# Altium PCB Z80 Card for Diagnotics.PcbDoc
Units mm, origin at the board's own origin, x right, y up, seen from the top; angles counter-clockwise.
Board outline 58 x 99 mm, 2 copper layers (Top Layer, Bottom Layer), stack 1.569 mm thick; 31 components, 93 nets, 261 pads, 323 vias.
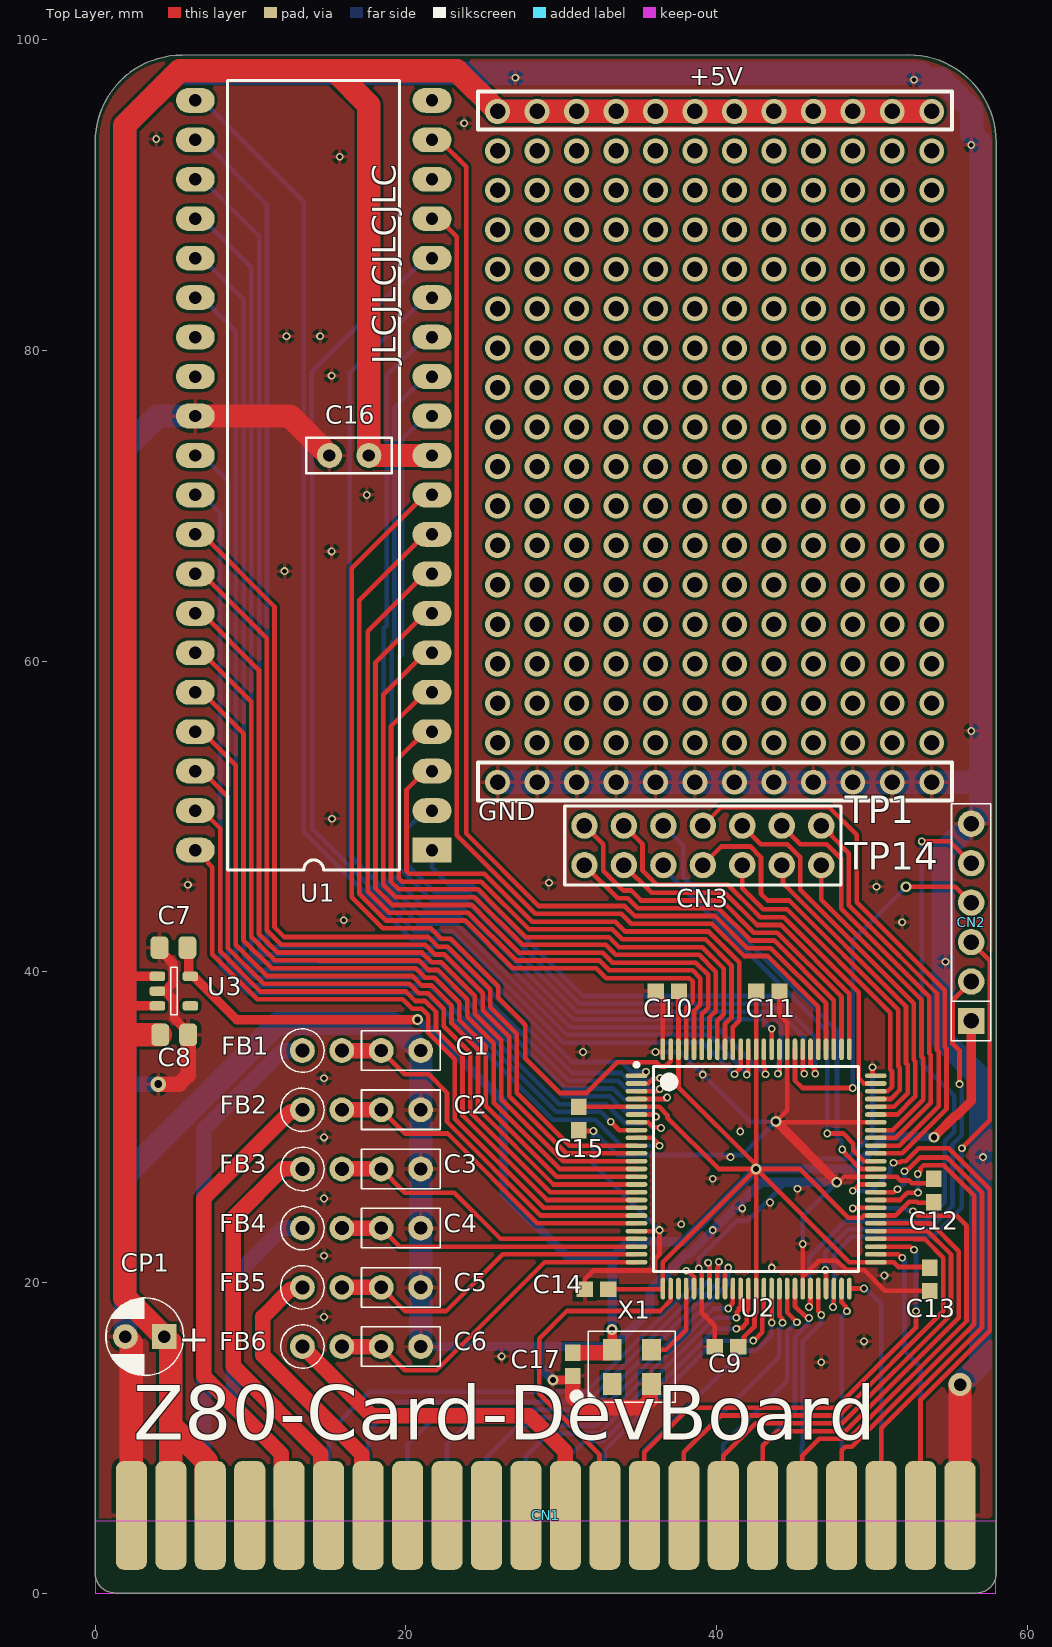
[diagram p0: Top Layer view]
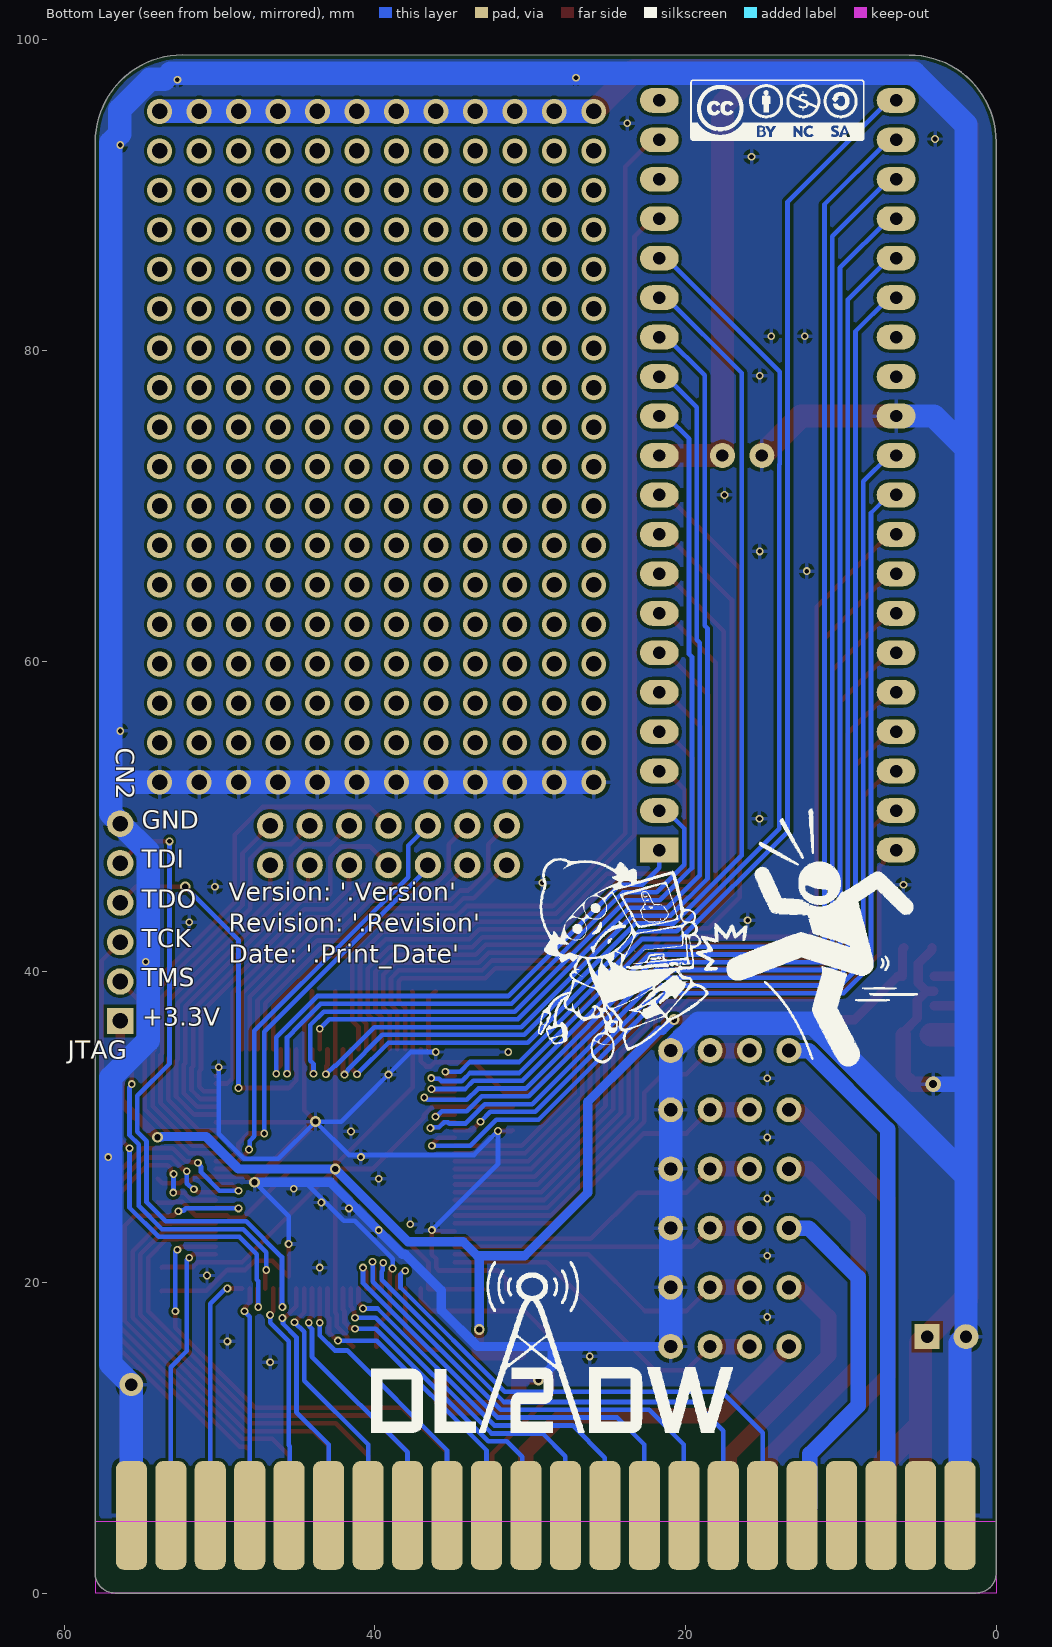
[diagram p1: Bottom Layer view, seen from below]
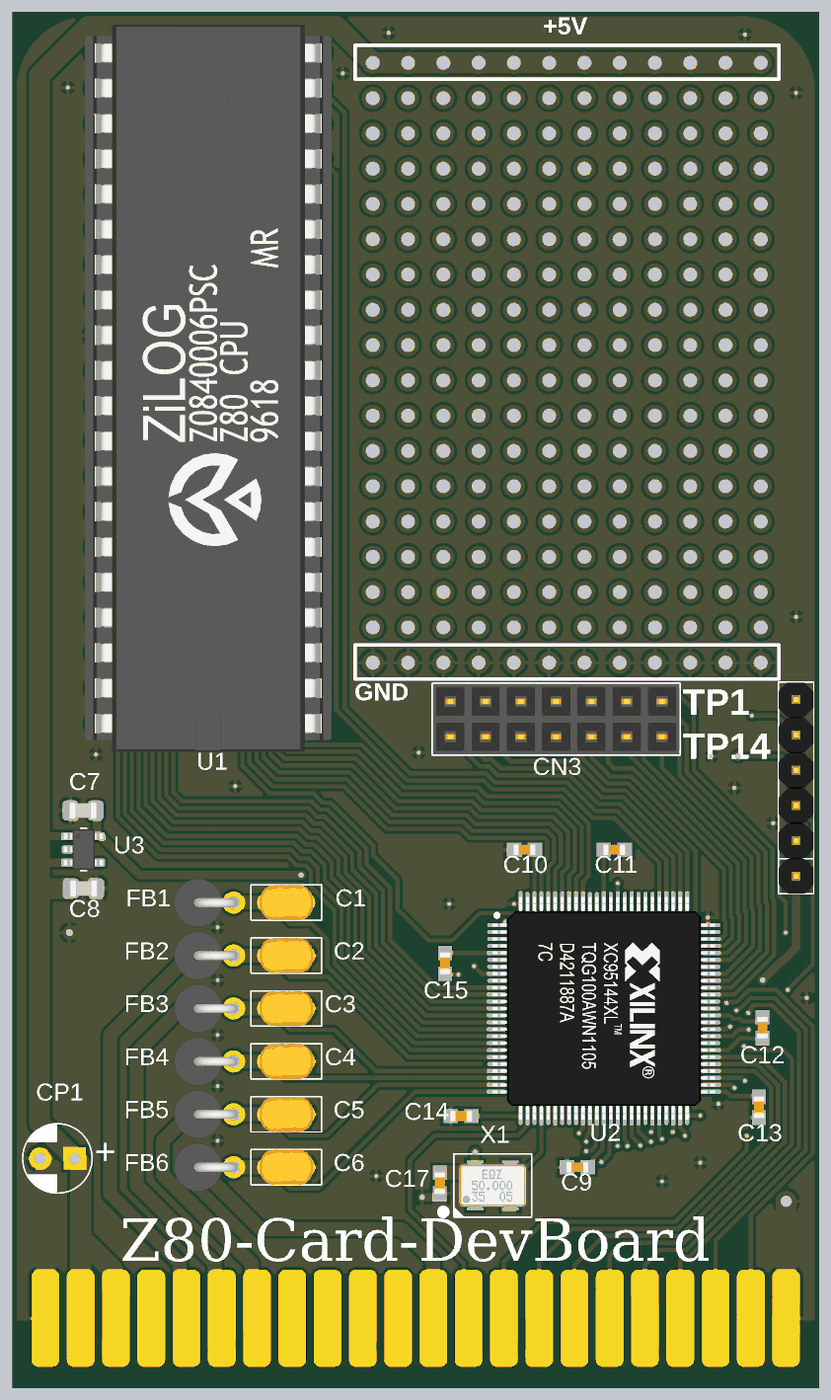
[diagram p2: 3D render of the assembled board from above, using the file's embedded part models]

## Layer stack, top to bottom
Top Solder: solder mask 0.0254, SM-001, Dk 4
Top Layer: signal copper 0.035
Dielectric 1: core 1.4986, Core-043, Dk 4.3
Bottom Layer: signal copper 0.035
Bottom Solder: solder mask 0.0254, SM-001, Dk 4

## Board outline
0,1.295 ccw(c1.288,1.295) 1.288,0.007 56.723,0.007 ccw(c56.72,1.285) 57.998,1.288 57.998,93.389 ccw(c52.375,93.386) 52.372,99.009 5.6,99.004 ccw(c5.6,93.404) 0,93.404

## Design rules (kind name [scope] priority, off if disabled: settings)
BoardOutlineClearance [All] p1: gap=0.254 ignorepadtopadclearanceinfootprint=FALSE
Clearance [All] p1: gap=0.2 ignorepadtopadclearanceinfootprint=TRUE
ComponentClearance ComponentClearance_Sheet [HasFootprint('PCB Title Block DIN A4')] p1: gap=0 collisioncheckmode=3 verticalgap=0 showdistances=FALSE
ComponentClearance [All] p2: gap=0 collisioncheckmode=3 verticalgap=0 showdistances=FALSE
MinimumSolderMaskSliver [All] p1: minsoldermaskwidth=0.103
PolygonConnect [All] p1: connectstyle=Relief reliefconductorwidth=0.254 reliefentries=4 polygonreliefangle="90 Angle" airgapwidth=0.254
RoutingVias RoutingVias_Power [(InNet('VCC') OR InNet('GND') OR InNet('+5V'))] p1: holewidth=0.5 width=1 viastyle="Through Hole" minholewidth=0.3 minwidth=0.5 maxholewidth=0.8 maxwidth=1.5
RoutingVias [All] p2: holewidth=0.4 width=0.7 viastyle="Through Hole" minholewidth=0.3 minwidth=0.5 maxholewidth=0.5 maxwidth=1
SilkToSilkClearance [All] p1: silktosilkclearance=0
SilkToSolderMaskClearance [IsPad] p1: minsilkscreentomaskgap=0.2 clearancetoexposedcopper=TRUE
SolderMaskExpansion [All] p1: expansion=0.038 istentingtop=FALSE
UnRoutedNet [All] p1: checkbadconnections=TRUE
Width Width_Power [(InNet('VCC') OR InNet('GND') OR InNet('+5V'))] p1: maxlimit=1.5 minlimit=0.3 preferedwidth=1
Width [All] p2: maxlimit=1 minlimit=0.3 preferedwidth=0.5
25 further rules are at their usual default settings.

## Components (designator, comment, footprint, x,y, rotation, side; value= is the part's Value field where it differs from the comment)
C1 "10pF" "CAP CER 10PF 25V C0G-NP0 RADIAL Kemet C315C100J3G5TA" 20.955,34.925 r180 top (schematic designator C10)
C2 "10pF" "CAP CER 10PF 25V C0G-NP0 RADIAL Kemet C315C100J3G5TA" 20.955,31.115 r180 top (schematic designator C15)
C3 "10pF" "CAP CER 10PF 25V C0G-NP0 RADIAL Kemet C315C100J3G5TA" 20.955,27.305 r180 top (schematic designator C2)
C4 "10pF" "CAP CER 10PF 25V C0G-NP0 RADIAL Kemet C315C100J3G5TA" 20.955,23.495 r180 top (schematic designator C3)
C5 "10pF" "CAP CER 10PF 25V C0G-NP0 RADIAL Kemet C315C100J3G5TA" 20.955,19.685 r180 top (schematic designator C13)
C6 "10pF" "CAP CER 10PF 25V C0G-NP0 RADIAL Kemet C315C100J3G5TA" 20.955,15.875 r180 top (schematic designator C14)
C7 "10µF" "Kemet C0805CxxxK8RACTU Series H=1.4mm" 5.037,41.554 r0 top (schematic designator C17)
C8 "10µF" "Kemet C0805CxxxK8RACTU Series H=1.4mm" 5.088,35.941 r180 top (schematic designator C16)
C9 "0.1µF" "CAP 100nF SMD 0603 C0603C104J3RACTU" 40.64,15.875 r0 top
C10 "0.1µF" "CAP 100nF SMD 0603 C0603C104J3RACTU" 36.83,38.735 r0 top (schematic designator C6)
C11 "0.1µF" "CAP 100nF SMD 0603 C0603C104J3RACTU" 43.295,38.735 r180 top (schematic designator C8)
C12 "0.1µF" "CAP 100nF SMD 0603 C0603C104J3RACTU" 53.975,25.92 r270 top (schematic designator C4)
C13 "0.1µF" "CAP 100nF SMD 0603 C0603C104J3RACTU" 53.721,20.193 r90 top (schematic designator C11)
C14 "0.1µF" "CAP 100nF SMD 0603 C0603C104J3RACTU" 32.27,19.558 r0 top (schematic designator C5)
C15 "0.1µF" "CAP 100nF SMD 0603 C0603C104J3RACTU" 31.115,30.555 r90 top (schematic designator C7)
C16 "100nF" "CAP Disc 100nF P2.54mm D5.5mm T3mm" 15.08,73.228 r0 top (schematic designator C1)
C17 "100nF" "CAP 100nF SMD 0603 C0603C104J3RACTU" 30.734,14.732 r90 top (schematic designator C12)
CN1 "Expansion Port EDGE Connector" "C64 Expansion Port EDGE Connector" 2.329,5.004 r0 top locked
CN2 "JTAG" "Pin Header 01x06 2.54mm Horizontal Male" 56.388,36.83 r90 top
CN3 "DIAG" "Female Pin Header 02x07 Straight P2.54mm H8.5mm" 46.736,49.403 r180 top
CP1 "47µF" "CAP 47µF16V D6mm H6.3mm P2.5mm" 4.445,16.51 r180 top
FB1 "2743005112" "Ferrite Bead Fair Rite 2743005112" 13.335,34.925 r0 top (schematic designator FB3)
FB2 "2743005112" "Ferrite Bead Fair Rite 2743005112" 13.335,31.115 r0 top (schematic designator FB6)
FB3 "2743005112" "Ferrite Bead Fair Rite 2743005112" 13.335,27.305 r0 top (schematic designator FB1)
FB4 "2743005112" "Ferrite Bead Fair Rite 2743005112" 13.335,23.495 r0 top (schematic designator FB2)
FB5 "2743005112" "Ferrite Bead Fair Rite 2743005112" 13.335,19.685 r0 top (schematic designator FB4)
FB6 "2743005112" "Ferrite Bead Fair Rite 2743005112" 13.335,15.875 r0 top (schematic designator FB5)
U1 "Z84C0008PEG" "Zilog Z80 CPU with Socket" 21.684,47.828 r180 top (schematic designator U2)
U2 "XC95144XL-10TQ100C" "TQFP-100 P0.5mm XC95144XL-7TQ100C" 42.545,27.305 r0 top (schematic designator U1)
U3 "SPX5205M5-L-3-3/TR" SOT-23-5 5.069,38.75 r270 top (schematic designator U5)
X1 "50MHz" "50.000MHZ Oscilator EuroQuartz XO53050UITA" 34.544,14.562 r0 top

## Footprints (in the part's own frame and the unit in brackets; to place one, negate y for a bottom-side part, rotate by r counter-clockwise, add the part's x,y. Pads: shape width x height; smd on the part's side, far side on the other; paste and mask are expansions set on the pad)
"50.000MHZ Oscilator EuroQuartz XO53050UITA" [mm]
  rect 1.2x1.4 smd: 1(-1.27,-1.1) 2(1.27,-1.1) 3(1.27,1.1) 4(-1.27,1.1)
  silkscreen extent -3.76,-2.29 2.79,2.29, body extent -2.5,-1.6 2.5,1.6, height 1.01
"C64 Expansion Port EDGE Connector" [mm] "C64 Expansion Port EDGE Connector"
  rrect50% 2x7 smd paste-1: 1(0,0) 2(2.54,0) 3(5.08,0) 4(7.62,0) 5(10.16,0) 6(12.7,0) 7(15.24,0) 8(17.78,0) 9(20.32,0) 10(22.86,0) 11(25.4,0) 12(27.94,0) 13(30.48,0) 14(33.02,0) 15(35.56,0) 16(38.1,0) 17(40.64,0) 18(43.18,0) 19(45.72,0) 20(48.26,0) 21(50.8,0) 22(53.34,0)
  rrect50% 2x7 smd far side paste-1: A(0,0) B(2.54,0) C(5.08,0) D(7.62,0) E(10.16,0) F(12.7,0) H(15.24,0) J(17.78,0) K(20.32,0) L(22.86,0) M(25.4,0) N(27.94,0) P(30.48,0) R(33.02,0) S(35.56,0) T(38.1,0) U(40.64,0) V(43.18,0) W(45.72,0) X(48.26,0) Y(50.8,0) Z(53.34,0)
"CAP 47µF16V D6mm H6.3mm P2.5mm" [mm]
  rect 1.6x1.6 hole 0.8: 1(0,0)
  round 1.6 hole 0.8: 2(2.5,0)
  silkscreen extent -1.25,-2.5 3.75,2.5, body extent -1.75,-3 4.25,3, height 6.89
"CAP 100nF SMD 0603 C0603C104J3RACTU" [mm] "Chip Capacitor, 2-Leads, Body 1,60x0,80mm, IPC Medium Density"
  rect 1.05x1 smd: 1(-0.75,0) 2(0.75,0)
  body extent -0.8,-0.4 0.8,0.4, height 0.87
"CAP CER 10PF 25V C0G-NP0 RADIAL Kemet C315C100J3G5TA" [mm]
  round 1.6 hole 0.85: 1(0,0) 2(2.54,0)
  silkscreen extent -1.27,-1.27 3.81,1.27, body extent -0.63,-1.27 3.17,1.27, height 3.39
"CAP Disc 100nF P2.54mm D5.5mm T3mm" [mm]
  round 1.6 hole 0.8: 1(0,0) 2(2.54,0)
  silkscreen extent -1.49,-1.14 4.01,1.14, body extent -1.49,-0.73 4.01,0.73, height 5.87
"Female Pin Header 02x07 Straight P2.54mm H8.5mm" [mm]
  round 1.7 hole 1: 1(0,0) 2(2.54,0) 3(5.08,0) 4(7.62,0) 5(10.16,0) 6(12.7,0) 7(15.24,0) 8(15.24,2.54) 9(12.7,2.54) 10(10.16,2.54) 11(7.62,2.54) 12(5.08,2.54) 13(2.54,2.54) 14(0,2.54)
  silkscreen extent -1.27,-1.27 16.51,3.81, body extent -1.27,-1.27 16.51,3.81, height 8.5
"Ferrite Bead Fair Rite 2743005112" [mm] "FERRITE BEAD AXIAL 1LN"
  round 1.6 hole 0.9: 1(0,0) 2(2.54,0)
  silkscreen extent -1.4,-1.4 1.4,1.4, body extent -1.75,-1.75 2.87,1.75, height 8.59
"Kemet C0805CxxxK8RACTU Series H=1.4mm" [mm]
  rrect50% 1.15x1.45 smd: 1(-0.9,0) 2(0.9,0)
  body extent -1,-0.62 1,0.62, height 1.4
"Pin Header 01x06 2.54mm Horizontal Male" [mm]
  rect 1.7x1.7 hole 1: 1(0,0)
  round 1.7 hole 1: 2(2.54,0) 3(5.08,0) 4(7.62,0) 5(10.16,0) 6(12.7,0)
  silkscreen extent -1.27,-1.27 13.97,1.27, body extent -1.27,-1.27 13.97,1.27, height 8.34
SOT-23-5 [mm]
  rrect50% 0.6x1 smd: 1(-0.95,-1.06) 2(0,-1.06) 3(0.95,-1.06) 4(0.95,1.06) 5(-0.95,1.06)
  silkscreen extent -1.52,-0.2 1.52,0.23, body extent -1.45,-1.41 1.45,1.41, height 1.3
"TQFP-100 P0.5mm XC95144XL-7TQ100C" [mm] "TSQFP, 100-Leads, Body 14,00x14,00mm, Pitch 0,50mm, IPC Medium Density"
  oval 1.4x0.3 smd: 1(-7.7,6) 2(-7.7,5.5) 3(-7.7,5) 4(-7.7,4.5) 5(-7.7,4) 6(-7.7,3.5) 7(-7.7,3) 8(-7.7,2.5) 9(-7.7,2) 10(-7.7,1.5) 11(-7.7,1) 12(-7.7,0.5) 13(-7.7,0) 14(-7.7,-0.5) 15(-7.7,-1) 16(-7.7,-1.5) 17(-7.7,-2) 18(-7.7,-2.5) 19(-7.7,-3) 20(-7.7,-3.5) 21(-7.7,-4) 22(-7.7,-4.5) 23(-7.7,-5) 24(-7.7,-5.5) 25(-7.7,-6) 51(7.7,-6) 52(7.7,-5.5) 53(7.7,-5) 54(7.7,-4.5) 55(7.7,-4) 56(7.7,-3.5) 57(7.7,-3) 58(7.7,-2.5) 59(7.7,-2) 60(7.7,-1.5) 61(7.7,-1) 62(7.7,-0.5) 63(7.7,0) 64(7.7,0.5) 65(7.7,1) 66(7.7,1.5) 67(7.7,2) 68(7.7,2.5) 69(7.7,3) 70(7.7,3.5) 71(7.7,4) 72(7.7,4.5) 73(7.7,5) 74(7.7,5.5) 75(7.7,6)
  oval 0.3x1.4 smd: 26(-6,-7.7) 27(-5.5,-7.7) 28(-5,-7.7) 29(-4.5,-7.7) 30(-4,-7.7) 31(-3.5,-7.7) 32(-3,-7.7) 33(-2.5,-7.7) 34(-2,-7.7) 35(-1.5,-7.7) 36(-1,-7.7) 37(-0.5,-7.7) 38(0,-7.7) 39(0.5,-7.7) 40(1,-7.7) 41(1.5,-7.7) 42(2,-7.7) 43(2.5,-7.7) 44(3,-7.7) 45(3.5,-7.7) 46(4,-7.7) 47(4.5,-7.7) 48(5,-7.7) 49(5.5,-7.7) 50(6,-7.7) 76(6,7.7) 77(5.5,7.7) 78(5,7.7) 79(4.5,7.7) 80(4,7.7) 81(3.5,7.7) 82(3,7.7) 83(2.5,7.7) 84(2,7.7) 85(1.5,7.7) 86(1,7.7) 87(0.5,7.7) 88(0,7.7) 89(-0.5,7.7) 90(-1,7.7) 91(-1.5,7.7) 92(-2,7.7) 93(-2.5,7.7) 94(-3,7.7) 95(-3.5,7.7) 96(-4,7.7) 97(-4.5,7.7) 98(-5,7.7) 99(-5.5,7.7) 100(-6,7.7)
  silkscreen extent -7.82,-6.6 6.6,6.82, body extent -8.01,-8.01 8.01,8.01, height 1.5
"Zilog Z80 CPU with Socket" [mm]
  rect 2.5x1.6 hole 0.8: 1(0,0)
  oval 2.5x1.6 hole 0.8: 2(0,-2.54) 3(0,-5.08) 4(0,-7.62) 5(0,-10.16) 6(0,-12.7) 7(0,-15.24) 8(0,-17.78) 9(0,-20.32) 10(0,-22.86) 11(0,-25.4) 12(0,-27.94) 13(0,-30.48) 14(0,-33.02) 15(0,-35.56) 16(0,-38.1) 17(0,-40.64) 18(0,-43.18) 19(0,-45.72) 20(0,-48.26) 21(15.24,-48.26) 22(15.24,-45.72) 23(15.24,-43.18) 24(15.24,-40.64) 25(15.24,-38.1) 26(15.24,-35.56) 27(15.24,-33.02) 28(15.24,-30.48) 29(15.24,-27.94) 30(15.24,-25.4) 31(15.24,-22.86) 32(15.24,-20.32) 33(15.24,-17.78) 34(15.24,-15.24) 35(15.24,-12.7) 36(15.24,-10.16) 37(15.24,-7.62) 38(15.24,-5.08) 39(15.24,-2.54) 40(15.24,0)
  silkscreen extent 2.08,-49.53 13.16,1.27, body extent -1.27,-50.3 16.51,2.04, height 8.89

## Part data
C1 C2 C3 C4 C5 C6: library part CMP-Capacitors-Ceramic_Capacitors-00049-1, "CAP CER 10PF 25V C0G/NP0 RADIAL"
C7 C8: library part CMP-Capacitors-Ceramic_Capacitors-00016-2, "KEMET - C0805C106K8RACTU - CAP, 10µF, 10V, 10%, X7R, 0805", Capacitance=10uF, Case Code (Imperial)=0805, Case Code (Metric)=2012, Dielectric=X7R, Dielectric Material=Ceramic, Max Operating Temperature=125°C, Min Operating Temperature=-55°C, Package Quantity=1, Tolerance=10%, Voltage=10V, Case/Package=0805, Depth=1.25mm, Dissipation Factor=7.5%, Height=1.25mm, Length=2mm, Mount="Surface Mount,PCB", Packaging="Tape and Reel", REACH SVHC="No SVHC", Termination=SMD/SMT, Thickness=0.055inch, Voltage Rating=10V, Voltage Rating (DC)=10V, Width=1.2mm
C9 C10 C11 C12 C13 C14 C15: library part CMP-Capacitors-Ceramic_Capacitors-00012-1, "KEMET         C0603C104J3RACTU             SMD Multilayer Ceramic Capacitor, 0603 [1608 Metric], 0.1 F, 25 V,  5%, X7R, C Series", Capacitance=100nF, Case Code (Imperial)=0603, Case Code (Metric)=1608, Dielectric=X7R, Dielectric Material=Ceramic, Max Operating Temperature=125°C, Min Operating Temperature=-55°C, Package Quantity=4000, Tolerance=5%, Voltage=25V, Case/Package=0603, Contact Plating=Tin,Matte, Depth=0.8mm, Height=0.8mm, Lead Pitch=0.7mm, Length=1.6mm, Mount="Surface Mount,PCB", Number of Pins=2, Packaging="Tape and Reel", Radiation Hardening=No, REACH SVHC="No SVHC", Termination=SMD/SMT, Thickness=0.034inch, Voltage Rating=25V, Voltage Rating (DC)=25V, Width=0.031inch
C16: library part CMP-Capacitors-Ceramic_Capacitors-00007-4, "Ceramic Disc Capacitors 100nF -20%~+80% 50V Through Hole,P=2.54mm RoHS", ComponentLink1URL=https://lcsc.com/product-detail/Others_Dersonic-CC1H104ZA1PD3F5O3000_C353909.html
C17: library part CMP-Capacitors-Ceramic_Capacitors-00012-1, "KEMET         C0603C104J3RACTU             SMD Multilayer Ceramic Capacitor, 0603 [1608 Metric], 0.1 F, 25 V,  5%, X7R, C Series", Case Code (Imperial)=0603, Case Code (Metric)=1608, Dielectric=X7R, Dielectric Material=Ceramic, Max Operating Temperature=125°C, Min Operating Temperature=-55°C, Package Quantity=4000, Tolerance=5%, Voltage=25V, Capacitance=100nF, Case/Package=0603, Contact Plating=Tin,Matte, Depth=0.8mm, Height=0.8mm, Lead Pitch=0.7mm, Length=1.6mm, Mount="Surface Mount,PCB", Number of Pins=2, Packaging="Tape and Reel", Radiation Hardening=No, REACH SVHC="No SVHC", Termination=SMD/SMT, Thickness=0.034inch, Voltage Rating=25V, Voltage Rating (DC)=25V, Width=0.031inch
CN1: library part CMP-Commodore-00008-4, "Expansion Port EDGE Connector for Interface Cards"
CN2: library part CMP-Connectors-Male_PIN_Headers-00005-2, "CONN HEADER VERT 6POS 2.54MM", Color=Black, Package Quantity=1, Connector Type="Male Pin", Contact Mating Length=0.318inch, Contact Plating=Gold, Mount="Through Hole", Number of Positions=6, Number of Rows=1, Packaging=Bulk, Pitch=0.1inch, Termination=Solder
CN3: library part CMP-Connectors-Female_Pin_Headers00044-1, "Headers & Wire Housings 7+7 DIL VERT SOCKET", Color=Black, Contact Resistance=20mR, Max Current Rating=3A, Max Operating Temperature=105°C, Min Operating Temperature=-40°C, Package Quantity=33, Connector Type=Receptacle,Socket, Contact Gender=Female, Contact Material=Bronze, Contact Plating=Tin,Gold, Depth=5.04mm, Gender=Female, Housing Color=Black, Housing Material=Polyamide, Length=18.18mm, Mount="Through Hole", Number of Contacts=14, Number of Positions=14, Number of Rows=2, Orientation=Straight, Packaging=Rail/Tube, Pitch=2.54mm, Radiation Hardening=No, Row Spacing=0.1inch, Termination=Solder
CP1: library part CMP-Capacitors-Electrolyt_Capacitors00000-5, "Aluminum Electrolytic Capacitors - Leaded 47uF 105c", Capacitance=47uF, Case/Package=Radial, Max Operating Temperature=105°C, Min Operating Temperature=-55°C, Package Quantity=2000, Ripple Current=115mA, Tolerance=20%, Voltage Rating=16V, Height - Seated (Max)=0.236inch, Impedance=1.3R, Lead Pitch=0.098inch, Length=5mm, Life (Hours)=1000Hour, Mount="Through Hole", Packaging="Tape and Reel", Termination=Radial, Voltage Rating (DC)=16V
FB1 FB2 FB3 FB4 FB5 FB6: library part CMP-Inductors-00000-10, "Ferrite Beads Axial 91Ohm 100MHz T/R", Case/Package=Axial, Max Operating Temperature=125°C, Min Operating Temperature=-55°C, Package Quantity=4500, Test Frequency=100MHz, Diameter=3.5mm, Impedance=91R, Length=6mm, Packaging="Tape and Reel", Shielding=Unshielded, Termination=Axial
U1: library part CMP-ICs-00009-1, "IC MPU Z80 8MHZ 40DIP", Case/Package=DIP, Frequency=8MHz, Max Operating Temperature=100°C, Max Supply Voltage=5V, Min Operating Temperature=-40°C, Min Supply Voltage=4.5V, Package Quantity=10, Core Architecture=Z8, Data Bus Width=8b, Height=4.19mm, Lead Free="Lead Free", Length=62.74mm, Max Frequency=8MHz, Memory Size=64KB, Memory Type=ROMless, Mount="Through Hole", Number of I/Os=24, Number of Pins=40, Packaging=Rail/Tube, Radiation Hardening=No, REACH SVHC=Unknown, Voltage=5V, Width=14.22mm
U2: library part CMP-ICs-CPLD_FPGA-00000-1, "IC CPLD 144MC 7.5NS 100TQFP", Case/Package=LQFP, Max Frequency=125MHz, Max Operating Temperature=70°C, Max Supply Voltage=3.6V, Min Operating Temperature=0°C, Min Supply Voltage=3V, Operating Supply Voltage=3.3V, Package Quantity=90, Contact Plating=Tin,Lead, Lead Free="Contains Lead", Memory Type=FLASH, Mount="Surface Mount", Number of Gates=3200, Number of I/Os=81, Number of Logic Blocks (LABs)=8, Number of Logic Elements/Cells=8, Number of Macrocells=144, Number of Pins=100, Packaging=Tray, Propagation Delay=7.5ns, Speed Grade=7, Turn-On Delay Time=7.5ns
U3: library part CMP-ICs-Power_Supply-00002-2, "LDO Regulator Pos 3.3V 0.15A 5-Pin SOT-23 T/R", Case/Package=SOT-23, Dropout Voltage=210mV, Max Input Voltage=16V, Max Operating Temperature=125°C, Max Output Current=150mA, Min Input Voltage=2.5V, Min Operating Temperature=-40°C, Min Output Voltage=3.3V, Quiescent Current=1uA, Accuracy=1%, Height=1.15mm, Lead Free="Lead Free", Length=2.9mm, Mount="Surface Mount", Number of Outputs=1, Number of Pins=5, Number of Regulators=1, Output Current=150mA, Output Type=Fixed, Output Voltage=3.3V, Packaging="Tape and Reel", Polarity=Positive, Radiation Hardening=No, Width=1.6mm
X1: library part CMP-Crystals_Oscilators-00004-1, "XO53050UITA-50.000, Crystal Oscillator, 50 MHz, 50ppm HCMOS, LSTTL 15pF, 4-Pin SMD, 5 x 3.2 x 1mm", Case/Package=SMD/SMT, Frequency Stability=50ppm, Load Capacitance=15pF, Max Operating Temperature=85°C, Min Operating Temperature=-40°C, Height=1mm, Length=5mm, Mount="Surface Mount", Number of Pins=4, Width=3.2mm

## Via types
v1: diameter 1.6, hole 1, Top Layer to Bottom Layer, 216 vias
v2: diameter 0.5, hole 0.3, Top Layer to Bottom Layer, tented both sides, 97 vias
v3: diameter 0.7, hole 0.4, Top Layer to Bottom Layer, tented both sides, 8 vias
v4: diameter 1.5, hole 0.8, Top Layer to Bottom Layer, tented both sides, 1 vias
v5: diameter 1, hole 0.5, Top Layer to Bottom Layer, tented both sides, 1 vias

## Nets (pads, with @x,y where several pads share a name; then routed paths per layer and width w, separated by ;. In a path a pad name is that pad's centre, name@x,y a point inside that pad or via, vN(x,y) a via of type N, cw(c..) or ccw(c..) an arc to the next point about the centre after c; other vN are vias at no path point)
+3V3: C7.2 C9.2 C10.2 C11.2 C12.2 C13.2 C14.2 C15.2 C17.2 CN2.1 U2.5 U2.26 U2.38 U2.51 U2.57 U2.88 U2.98 U3.5 X1.4 | length 171.8
  Top Layer w0.3: C15.2 36.3,31.305 36.836,30.769 36.836,30.601 40.132,27.305 v3(42.545,27.305) ; C14.2 36.545,19.558 U2.26 36.545,21.305 v3(42.545,27.305) ; C10.2 37.545,38.7 U2.98 37.545,32.559 v3@42.545,27.559 ; C9.2 41.415,15.875 41.765,16.225 41.765,16.505 42.445,17.185 42.445,17.943 42.545,18.042 U2.38 v3(42.545,27.305) ; C11.2 42.545,36.97 U2.88 v3@42.545,27.559 ; C13.2 53.669,20.995 51.7,20.995 51.39,21.305 48.545,21.305 v3(42.545,27.305) ; C12.2 53.935,25.13 52.947,25.13 52.889,25.188 52.392,25.188 51.51,24.305 49.488,24.305 49.348,24.165 48.479,24.165 45.339,27.305 v3(42.545,27.305) ; v3(42.545,27.305) v3@42.545,27.559
  Top Layer w0.6: C7.2 6.033,41.458 6.033,39.7 6.329,39.7 9.117,36.913 v3(20.741,36.913) ; X1.4 v3(33.274,16.963) ; v3(53.987,29.345) 55.351,30.71 55.418,30.71 56.388,31.679 CN2.1
  Top Layer w1: C17.2 33.174,15.482 33.274,15.582 X1.4
  Bottom Layer w0.6: v3(20.741,36.913) 20.768,36.913 21.455,36.225 21.687,36.225 23.347,34.565 26.289,31.623 26.289,25.781 30.353,21.717 33.401,21.717 ; v3(33.274,16.963) 33.274,21.59 33.401,21.717 ; v3(53.987,29.345) 53.967,29.364 53.697,29.364 53.666,29.395 50.858,29.395 48.768,27.305 v3(42.545,27.305) 37.858,22.618 34.302,22.618 33.401,21.717
A0: CN1.Y U2.52 | length 18.9
  Top Layer w0.3: U2.52 51.685,21.805 51.894,21.595 v2(51.948,21.595)
  Bottom Layer w0.3: v2(51.948,21.595) 52.095,21.449 52.095,15.585 53.129,14.551 CN1.Y
A1: CN1.X U2.50 | length 16.1
  Top Layer w0.3: U2.50 v2(49.488,19.605)
  Bottom Layer w0.3: v2(49.488,19.605) 49.61,19.605 50.589,18.626 CN1.X
A2: CN1.W U2.49 | length 14.9
  Top Layer w0.3: U2.49 48.045,18.717 48.349,18.413 48.349,18.178 v2(48.387,18.14)
  Bottom Layer w0.3: CN1.W 48.049,17.802 v2(48.387,18.14)
A3: CN1.V U2.46 | length 15.2
  Top Layer w0.3: U2.46 46.545,18.152 46.736,17.961 v2(46.736,17.907)
  Bottom Layer w0.3: CN1.V 45.475,5.038 45.475,9.466 45.543,9.534 45.543,16.206 46.736,17.399 v2(46.736,17.907)
A4: CN1.U U2.43 | length 16.3
  Top Layer w0.3: U2.43 45.045,18.466 45.758,17.753 45.907,17.753 v2(45.945,17.715)
  Bottom Layer w0.3: CN1.U 42.969,9.568 45.043,11.642 45.043,16.468 45.907,17.332 45.907,17.677 v2(45.945,17.715)
A5: CN1.T U2.42 | length 16.8
  Top Layer w0.3: U2.42 44.545,18.066 v2(45.169,17.442)
  Bottom Layer w0.3: CN1.T 40.429,9.568 44.543,13.682 44.543,16.817 v2(45.169,17.442)
A6: CN1.S U2.41 | length 17.3
  Top Layer w0.3: U2.41 44.045,17.859 44.207,17.697 44.207,17.437 v2(44.245,17.399)
  Bottom Layer w0.3: CN1.S 37.889,9.06 44.043,15.214 44.043,17.024 44.207,17.187 44.207,17.36 v2(44.245,17.399)
A7: CN1.R U2.40 | length 18.5
  Top Layer w0.3: v2(43.545,17.405) U2.40
  Bottom Layer w0.3: CN1.R 35.349,9.187 41.783,15.621 42.579,15.621 43.543,16.585 43.543,17.403 v2(43.545,17.405)
A8: CN1.P U2.39 | length 20.3
  Top Layer w0.3: v2(42.365,16.256) 42.419,16.256 42.945,16.782 42.945,17.735 43.045,17.835 U2.39
  Bottom Layer w0.3: CN1.P 32.809,9.187 39.878,16.256 v2(42.365,16.256)